# KiCad board EKO_Miner_BM1366-13xx_16-01A.kicad_pcb (continued)
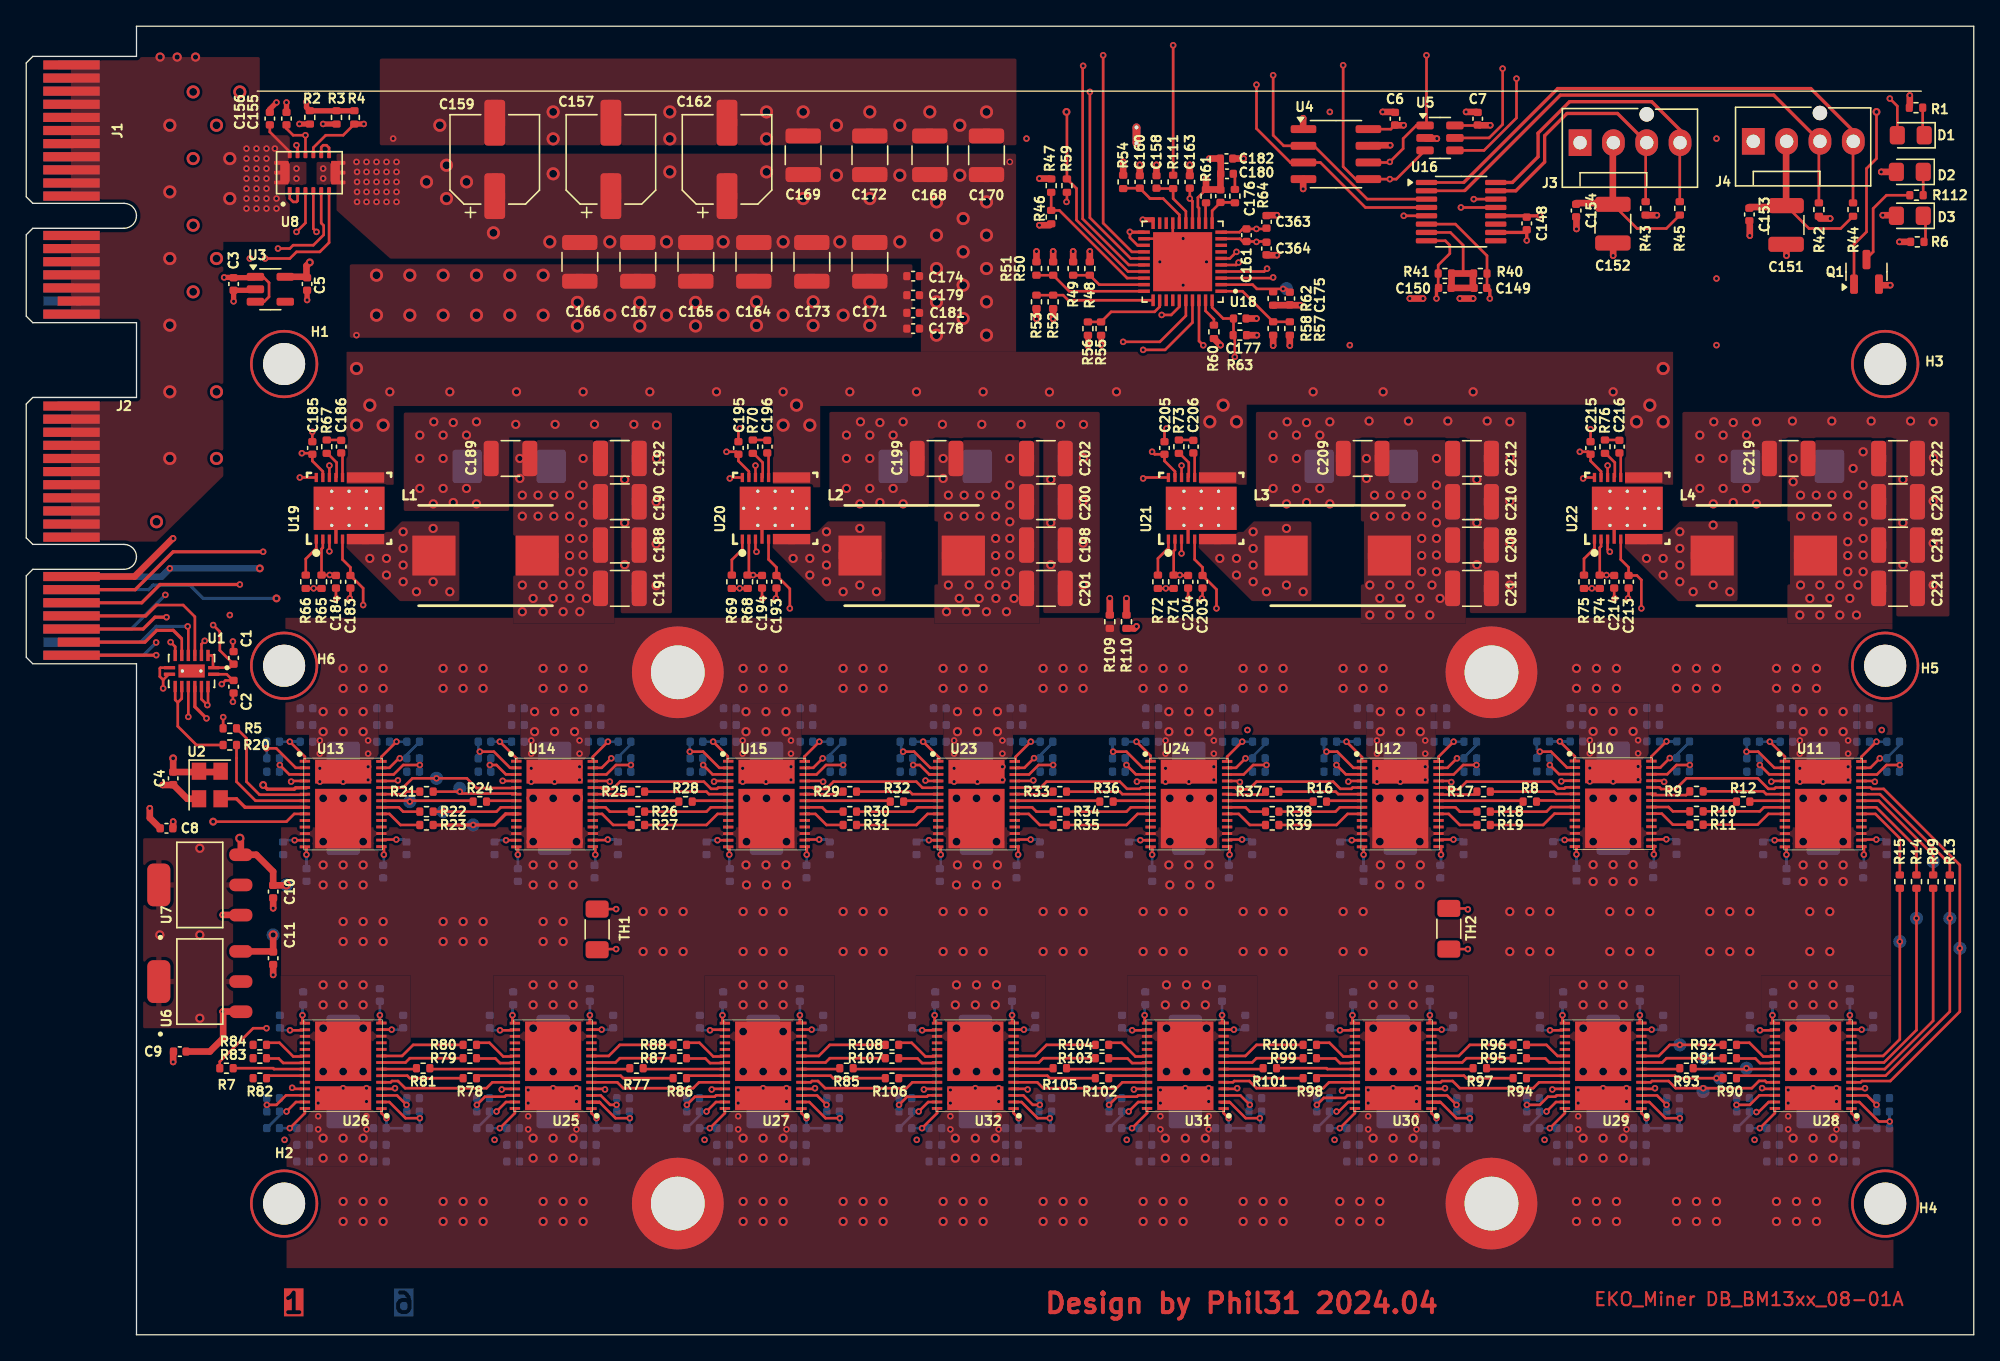
[diagram p0: board, top side]
## Routing (per net, layer and track width the routed paths; a pad name or vN(x,y) marks a point on that pad's centre or on a via; arc(x,y) is an arc through that point) (continued)
/ASICs/ASICs_BM1366_1/BM1366-0/BI: length 9.4
  Top w0.2: R5.2 16.78,45.47 16.78,42.16 17.78,41.17 21.34,41.17
/ASICs/ASICs_BM1366_1/BM1366-7/BO: length 19.1
  Top w0.2: 138.93,19.75 141.69,19.75 146.58,24.64 v2(146.58,31.75) R13.2
/ASICs/ASICs_BM1366_1/BM1366-7/CLKO: length 16.8
  Top w0.2: U28.8 141.56,20.75 144.04,23.23 v2(144.04,31.75) R14.2
/ASICs/ASICs_BM1366_1/BM1366-7/CO: length 15.7
  Top w0.2: R15.2 v2(142.77,29.97) 142.77,22.53 141.5,21.25 U28.9
/ASICs/ASICs_BM1366_1/BM1366-7/RI: length 8.7
  Top w0.2: U11.22 141.17,40.71 145.31,36.58 v2(145.31,36.07) R89.2
/ASICs/ASICs_BM1366_1/BM1366-7/RSTO_n: length 31.6
  Top w0.2: U28.5 139.79,19.25 139.88,19.34 142.04,19.34 147.34,24.64 v2(147.34,29.46) 147.34,35.81 141.54,41.61 140.63,41.61 140.53,41.71 U11.24
/ASICs/ASICs_BM1366_1/BO1: length 6.4
  Top w0.2: U14.6 37.29,41.26 33.18,41.26 v2(33.04,41.4) R21.2
/ASICs/ASICs_BM1366_1/BO2: length 6.4
  Top w0.2: 53.45,41.21 52.02,41.21 51.83,41.4 R25.2
/ASICs/ASICs_BM1366_1/BO3: length 6.4
  Top w0.2: 63.23,41.4 67.33,41.4 67.52,41.21 69.56,41.21
/ASICs/ASICs_BM1366_1/BO4: length 6.4
  Top w0.2: 79.34,41.4 83.33,41.4 83.52,41.21 U24.6
/ASICs/ASICs_BM1366_1/BO5: length 6.4
  Top w0.2: R37.2 99.78,41.4 99.97,41.21 U12.6
/ASICs/ASICs_BM1366_1/BO6: length 6.5
  Top w0.2: U10.6 116.59,41.23 116.41,41.4 R17.2
/ASICs/ASICs_BM1366_1/BO7: length 6.3
  Top w0.2: R9.2 132.38,41.42 132.59,41.21 U11.6
/ASICs/ASICs_BM1366_1/CLKO1: length 6.5
  Top w0.2: R22.2 v2(31.77,39.88) 35.83,39.88 36.16,40.21 U14.8
/ASICs/ASICs_BM1366_1/CLKO2: length 6.5
  Top w0.2: 53.45,40.21 52.16,40.21 51.83,39.88 R26.2
/ASICs/ASICs_BM1366_1/CLKO3: length 6.5
  Top w0.2: 63.23,39.88 67.58,39.88 67.91,40.21 69.56,40.21
/ASICs/ASICs_BM1366_1/CLKO4: length 6.5
  Top w0.2: U24.8 84.17,40.21 83.84,39.88 79.34,39.88
/ASICs/ASICs_BM1366_1/CLKO5: length 6.5
  Top w0.2: U12.8 100.09,40.21 99.77,39.88 R38.2
/ASICs/ASICs_BM1366_1/CLKO6: length 6.6
  Top w0.2: R18.2 115.84,39.88 116.19,40.23 118.01,40.23
/ASICs/ASICs_BM1366_1/CLKO7: length 6.4
  Top w0.2: R10.2 132.1,39.9 132.41,40.21 U11.8
/ASICs/ASICs_BM1366_1/CO1: length 6.8
  Top w0.25: R23.2 v2(34.05,38.86) 35.69,38.86 36.53,39.7 37.5,39.7
/ASICs/ASICs_BM1366_1/CO2: length 6.7
  Top w0.2: R27.2 51.83,38.86 52.68,39.7 53.45,39.7
/ASICs/ASICs_BM1366_1/CO3: length 6.7
  Top w0.2: 63.23,38.86 67.84,38.86 68.68,39.7 69.56,39.7
/ASICs/ASICs_BM1366_1/CO4: length 6.7
  Top w0.2: 79.34,38.86 83.84,38.86 84.68,39.7 U24.9
/ASICs/ASICs_BM1366_1/CO5: length 6.7
  Top w0.2: R39.2 99.84,38.86 100.68,39.7 U12.9
/ASICs/ASICs_BM1366_1/CO6: length 6.8
  Top w0.2: R19.2 115.59,38.86 116.45,39.72 U10.9
/ASICs/ASICs_BM1366_1/CO7: length 6.6
  Top w0.2: U11.9 132.74,39.7 131.92,38.88 R11.2
/ASICs/ASICs_BM1366_1/RI1: length 7.1
  Top w0.2: U13.22 29.16,40.71 v2(29.23,40.64) 29.3,40.71 33.98,40.71 R24.2
/ASICs/ASICs_BM1366_1/RI02: length 6.6
  Top w0.2: U14.22 49.73,40.71
/ASICs/ASICs_BM1366_1/RI3: length 6.5
  Top w0.2: 59.29,40.71 65.73,40.71 65.8,40.64
/ASICs/ASICs_BM1366_1/RI4: length 6.4
  Top w0.2: 75.4,40.71 81.74,40.71 R36.2
/ASICs/ASICs_BM1366_1/RI5: length 6.6
  Top w0.2: R16.2 97.99,40.71 U24.22
/ASICs/ASICs_BM1366_1/RI6: length 6.5
  Top w0.2: R8.2 113.99,40.71 U12.22
/ASICs/ASICs_BM1366_1/RI7: length 6.5
  Top w0.2: U10.22 130.23,40.73 R12.2
/ASICs/ASICs_BM1366_1/RSTO1: length 10.9
  Top w0.2: U13.24 28.72,41.71 29.43,42.42 v2(31.26,42.42) 33.57,42.42 34.32,41.67 37.3,41.67 U14.5
/ASICs/ASICs_BM1366_1/RSTO2: length 10.8
  Top w0.2: 53.45,41.71 52.73,41.71 52.64,41.62 52.18,41.62 51.63,42.16 45.25,42.16 44.7,41.61 43.89,41.61 43.79,41.71 U14.24
/ASICs/ASICs_BM1366_1/RSTO3: length 10.7
  Top w0.2: 69.55,41.7 68.29,41.7 67.83,42.16 61.51,42.16 60.95,41.61 60.05,41.61 59.95,41.71 59.29,41.71
/ASICs/ASICs_BM1366_1/RSTO4: length 10.7
  Top w0.2: U24.5 84.96,41.71 84.86,41.62 83.88,41.62 83.33,42.16 77.74,42.16 77.29,41.71 75.4,41.71
/ASICs/ASICs_BM1366_1/RSTO5: length 10.8
  Top w0.2: U12.5 101.07,41.71 100.97,41.62 100.13,41.62 99.59,42.16 93.74,42.16 93.16,41.58 92.25,41.58 92.12,41.71 U24.24
/ASICs/ASICs_BM1366_1/RSTO6: length 10.9
  Top w0.2: U10.5 117.3,41.73 117.2,41.64 116.75,41.64 116.22,42.16 109.75,42.16 109.16,41.58 108.36,41.58 108.23,41.71 U12.24
/ASICs/ASICs_BM1366_1/RSTO7: length 10.9
  Top w0.2: U10.24 124.45,41.73 124.58,41.6 125.69,41.6 126.51,42.42 131.95,42.42 132.75,41.62 133.2,41.62 133.3,41.71 U11.5
/ASICs/ASICs_BM1366_2/BM1366-7/RI: length 5.5
  Top w0.2: R7.2 18.81,20.32 18.88,20.25 21.23,20.25
/ASICs/ASICs_BM1366_2/BO1: length 6.3
  Top w0.2: R90.2 v2(128.8,19.56) 125.81,19.56 125.61,19.75 U29.6
/ASICs/ASICs_BM1366_2/BO2: length 6.3
  Top w0.2: R94.2 109.75,19.56 109.56,19.75 U30.6
/ASICs/ASICs_BM1366_2/BO3: length 6.1
  Top w0.2: U31.6 93.55,19.75 93.74,19.56 R98.2
/ASICs/ASICs_BM1366_2/BO4: length 6.3
  Top w0.2: R102.2 78,19.56 77.81,19.75 U32.6
/ASICs/ASICs_BM1366_2/BO5: length 6.5
  Top w0.2: U27.6 61.3,19.75 61.49,19.56 R106.2
/ASICs/ASICs_BM1366_2/BO6: length 6.3
  Top w0.2: R86.2 45.48,19.56 45.29,19.75 U25.6
/ASICs/ASICs_BM1366_2/BO7: length 6.3
  Top w0.2: U26.6 29.04,19.75 29.23,19.56 R78.2
/ASICs/ASICs_BM1366_2/CLKO1: length 6.4
  Top w0.2: R91.2 v2(127.78,21.08) 124.99,21.08 124.66,20.75 U29.8
/ASICs/ASICs_BM1366_2/CLKO2: length 6.4
  Top w0.2: R95.2 109.75,21.08 109.42,20.75 U30.8
/ASICs/ASICs_BM1366_2/CLKO3: length 6.2
  Top w0.2: R99.2 93.74,21.08 93.41,20.75 U31.8
/ASICs/ASICs_BM1366_2/CLKO4: length 6.4
  Top w0.2: U32.8 77.16,20.75 77.49,21.08 R103.2
/ASICs/ASICs_BM1366_2/CLKO5: length 6.5
  Top w0.2: U27.8 60.9,20.75 61.23,21.08 R107.2
/ASICs/ASICs_BM1366_2/CLKO6: length 6.4
  Top w0.2: U25.8 44.9,20.75 45.23,21.08 R87.2
/ASICs/ASICs_BM1366_2/CLKO7: length 6.4
  Top w0.2: R79.2 29.23,21.08 28.9,20.75 U26.8
/ASICs/ASICs_BM1366_2/CO1: length 6.6
  Top w0.2: R92.2 v2(126,22.1) 125.24,22.1 124.4,21.25 U29.9
/ASICs/ASICs_BM1366_2/CO2: length 6.6
  Top w0.2: U30.9 109.16,21.25 110,22.1 R96.2
/ASICs/ASICs_BM1366_2/CO3: length 6.4
  Top w0.2: U31.9 92.9,21.25 93.74,22.1 R100.2
/ASICs/ASICs_BM1366_2/CO4: length 6.6
  Top w0.2: R104.2 77.74,22.1 76.9,21.25 U32.9
/ASICs/ASICs_BM1366_2/CO5: length 6.7
  Top w0.2: U27.9 60.39,21.25 61.23,22.1 R108.2
/ASICs/ASICs_BM1366_2/CO6: length 6.6
  Top w0.2: R88.2 45.23,22.1 44.39,21.25 U25.9
/ASICs/ASICs_BM1366_2/CO7: length 6.6
  Top w0.2: U26.9 28.64,21.25 29.48,22.1 R80.2
/ASICs/ASICs_BM1366_2/RI1: length 6.3
  Top w0.2: 133.25,20.25 131.15,20.25 v2(131.08,20.32) 131.01,20.25 127.09,20.25 R93.2
/ASICs/ASICs_BM1366_2/RI02: length 6
  Top w0.2: 117.24,20.25 111.34,20.25 R97.2
/ASICs/ASICs_BM1366_2/RI3: length 6
  Top w0.2: R101.2 99.08,20.32 99.15,20.25 101.24,20.25
/ASICs/ASICs_BM1366_2/RI4: length 6.2
  Top w0.2: 85.41,20.25 79.34,20.25 R105.2
/ASICs/ASICs_BM1366_2/RI5: length 6.4
  Top w0.2: R85.2 63.08,20.25 69.4,20.25
/ASICs/ASICs_BM1366_2/RI6: length 6.3
  Top w0.2: R77.2 47.08,20.25 53.24,20.25
/ASICs/ASICs_BM1366_2/RI7: length 6.5
  Top w0.2: R81.2 30.82,20.25 37.23,20.25
/ASICs/ASICs_BM1366_2/RSTO1: length 10.7
  Top w0.2: U29.5 123.79,19.25 123.88,19.34 125.14,19.34 125.69,18.8 v2(127.78,18.8) 131.49,18.8 132.04,19.35 132.5,19.35 132.6,19.25 U28.24
/ASICs/ASICs_BM1366_2/RSTO2: length 10.6
  Top w0.2: U29.24 115.28,19.25 114.83,18.8 109.24,18.8 108.69,19.34 107.88,19.34 107.78,19.25 U30.5
/ASICs/ASICs_BM1366_2/RSTO3: length 10.5
  Top w0.2: U30.24 99.28,19.25 98.82,18.8 93.74,18.8 93.2,19.34 92.05,19.34 91.95,19.25 U31.5
/ASICs/ASICs_BM1366_2/RSTO4: length 10.5
  Top w0.2: U31.24 83.53,19.25 83.08,18.8 77.49,18.8 77.04,19.25 U32.5
/ASICs/ASICs_BM1366_2/RSTO5: length 10.8
  Top w0.2: U27.5 59.78,19.25 59.87,19.34 60.33,19.34 60.88,18.8 67.07,18.8 67.53,19.25 U32.24
/ASICs/ASICs_BM1366_2/RSTO6: length 10.5
  Top w0.2: U27.24 51.27,19.25 50.82,18.8 45.48,18.8 45.03,19.25 U25.5
/ASICs/ASICs_BM1366_2/RSTO7: length 10.6
  Top w0.2: U26.5 27.77,19.25 27.87,19.34 28.33,19.34 28.87,18.8 35.07,18.8 35.52,19.25 U25.24
/CI: length 18.5
  Top w0.2: 12.35,49.42 v2(12.35,47.1) ; 21.38,39.7 20.42,39.7 19.83,39.12 v4(14.24,39.12)
  In2.Cu w0.2: v2(12.35,47.1) 12.35,41.77 14.24,39.88 v4(14.24,39.12)
/CLKI: length 6.8
  Top w0.25: 21.38,40.21 16.67,40.21 16.02,40.86 U2.3
/DB_ALERTn_oc: length 132.6
  Top w0.2: v2(81.05,94.74) 81.05,85.15 84.15,82.05 U18.25 ; U8.10 21.88,90.5 22.82,91.44 24.15,91.44 R4.1
  Top w0.25: v2(16.27,57.19) 10.19,57.19 8.8,55.8 J2.B14
  Top w0.4: 25,92.3 v2(25.72,92.3)
  In2.Cu w0.2: v2(25.72,92.3) 28.92,95.5 76.16,95.5 76.92,94.74 v2(81.05,94.74) ; 27.93,94.49 23.97,90.53 23.97,77.92 22.59,76.53 22.59,73.71 18.96,70.09 18.96,62.32 16.27,59.63 v2(16.27,57.19)
/DB_PGOOD: length 189.2
  Top w0.2: v4(140.99,93.22) 140.99,89.66 140.23,88.9 140.23,84.07 139.28,83.12 Q1.1 ; U18.27 83.95,81.05 80.03,84.97 80.03,87.38 R59.1 79.3,93.18 v4(79.27,93.22)
  Top w0.25: J2.B13 8.3,56.8 11.19,59.69 v2(18.05,59.69)
  In2.Cu w0.2: v4(140.99,93.22) 138.7,93.22 137.69,94.23 96.28,94.23 95.27,93.22 v4(79.27,93.22) 74.69,93.22 71.65,90.17 70.38,90.17 65.51,85.3 32.49,85.3 23.39,76.2 23.39,73.38 19.76,69.76 19.76,61.4 v2(18.05,59.69)
/DB_RSTn: length 13.1
  Top w0.2: 9.92,55.63 11.96,55.63 12.85,54.73 U1.4
  Top w0.25: 9.92,55.63 9.1,54.8 J2.B15
/DB_RX: length 9.8
  Top w0.2: 11.8,53.11 11.85,53.05 U1.6
  Top w0.25: J2.B17 9.04,52.8 9.94,53.7 11.2,53.7 11.8,53.11
/DB_SCL: length 185.2
  Top w0.2: U8.6 23.08,83.26 22.37,82.55 20.59,82.55 20.08,82.04 v2(18.2,82.04) ; v2(106.7,97.54) 106.7,92.3 U5.1 105.93,92.19 104.92,91.18 104.92,90.42 103.86,89.37 U4.6 ; v2(82.06,97.54) 82.06,84.74 84.25,82.55 U18.24 ; U16.14 v2(110.3,86.57)
  Top w0.4: v2(20.82,92.3) 21.6,92.3 R2.1
  In2.Cu w0.2: v2(103.9,89.41) 107.46,89.41 v2(110.3,86.57) ; 106.66,97.54 26.06,97.54 v2(20.82,92.3) 21.51,92.3 21.86,91.95 21.86,90.3 21.35,89.79 21.35,87.88 19.62,86.15 19.62,84.12 18.2,82.7 v2(18.2,82.04) 18.24,82 18.24,80.06 15.47,77.29 15.47,63.83 12.43,60.78 12.43,58.23 v2(10.6,56.4)
  Bottom w0.25: v2(10.6,56.4) 8,53.8 J2.A16
/DB_SDA: length 180.6
  Top w0.2: U16.13 v2(109.32,85.94) ; U5.3 104.4,88.09 v2(103.9,88.09) U4.5 101.3,88.09 100.35,89.05 v2(100.35,96.77) ; v2(19.18,82.8) 20.08,82.8 20.34,83.06 21.88,83.06 22.67,83.85 22.67,84.56 22.48,84.75 U8.5 ; v2(80.54,96.73) 80.5,96.7 80.5,85.07 84.02,81.55 U18.26
  Top w0.25: v2(10.69,54.7) 9.81,54.7 8.91,53.8 J2.B16
  Top w0.4: v2(22.62,92.3) 23.63,92.3 R3.1
  In2.Cu w0.2: v2(103.9,88.09) 103.9,88.14 106.11,85.94 v2(109.32,85.94) ; 100.27,96.77 v2(100.35,96.77) 100.31,96.73 v2(80.54,96.73) 77.49,96.73 77.08,97.14 27.46,97.14 v2(22.62,92.3) 22.62,90.39 21.75,89.53 21.75,87.72 20.02,85.98 20.02,83.64 v2(19.18,82.8) 19.18,80.44 15.87,77.13 15.87,63.67 12.83,60.62 12.83,56.84 v2(10.69,54.7)
/DB_TX: length 11.6
  Top w0.2: v2(12.3,54) 12.35,53.95 U1.5
  Bottom w0.25: J2.A17 8.7,52.8 9.9,54 v2(12.3,54)
/EN_DRV: length 146.6
  Top w0.2: v2(55.64,59.69) 55.57,59.77 U20.3 ; U19.3 v2(23.1,59.72) ; U22.3 120.5,59.86 v2(120.67,59.69) ; U21.3 v2(88.03,59.56)
  In2.Cu w0.2: v4(19.07,56.13) 19.32,55.88 22.37,55.88 23.89,57.4 23.89,58.93 v2(23.1,59.72) 23.61,59.72 27.96,55.37 32.53,55.37 34.05,53.85 44.47,53.85 46.75,56.13 54.63,56.13 56.15,57.66 56.15,59.18 v2(55.64,59.69) 56.66,59.69 61.95,54.4 83.84,54.4 84.81,55.37 86.63,55.37 88.66,57.4 88.66,58.42 88.03,59.05 v2(88.03,59.56) 89.3,59.56 95.23,53.64 107.76,53.64 110.25,56.13 120.03,56.13 121.43,57.53 121.43,58.93 v2(120.67,59.69)
  Bottom w0.25: J2.A13 9.32,56.8 9.67,57.15 12.46,57.15 13.48,56.13 v4(19.07,56.13)
/FAN/FAN1_PWM: length 42.3
  Top w0.2: U16.1 109.54,87.84 ; R44.1 139.2,90.95 J4.4
  Top w0.25: J4.4 139.22,91.76 135.98,95 116.7,95 109.54,87.84
/FAN/FAN1_TACH: length 39.2
  Top w0.2: R42.1 136.6,90.9 J4.3 ; U16.2 109.61,87.2 109.63,87.23
  Top w0.25: J4.3 133.16,94.5 116.9,94.5 109.63,87.23
/FAN/FAN2_PWM: length 24
  Top w0.2: R45.1 126,90.85 J3.4
  Top w0.25: J3.4 126.02,91.84 123.86,94 117.6,94 115.2,91.6 115.2,89.8 113.24,87.84 U16.16
/FAN/FAN2_TACH: length 20.6
  Top w0.2: J3.3 123.4,90.8 R43.1
  Top w0.25: J3.3 121.25,93.1 117.4,93.1 115.7,91.4 115.7,89.4 113.5,87.2 U16.15
/ID0: length 173.1
  Top w0.2: v2(20.59,84.07) 21.28,84.76 U8.3 ; v2(95.01,96.01) 95.01,91.44 95.82,90.63 U4.2 98.12,90.63 102.18,86.57 U16.3 ; v2(112.5,96.52) 112.5,92.27 111.47,91.23 U5.5
  In2.Cu w0.2: v2(9.9,52.78) 13.23,56.1 13.23,60.45 16.27,63.5 16.27,76.96 20.59,81.28 v2(20.59,84.07) 23.17,86.66 23.17,91.74 27.96,96.52 76.73,96.52 77.28,95.97 111.95,95.97 v2(112.5,96.52)
  Bottom w0.25: J2.A18 8.92,51.8 v2(9.9,52.78)
/ID1: length 177.2
  Top w0.2: v2(22.12,84.07) 21.88,84.31 U8.4 ; U5.4 111.08,90.28 113.56,92.76 v2(113.56,95.76) ; U16.4 102.04,85.94 98.61,89.37 U4.3 96.33,89.37 93.74,91.95 v2(93.74,95.29)
  Top w0.25: v2(9.91,51.81) 9.9,51.8 J2.B18
  In1.Cu w0.2: v2(9.91,51.81) 11.17,51.81 14.23,54.86 v2(15.51,54.86)
  In2.Cu w0.2: v2(15.51,54.86) 15.51,59.44 18.56,62.48 18.56,70.25 22.19,73.88 22.19,76.7 23.46,77.97 23.46,82.04 22.12,83.38 v2(22.12,84.07) 22.12,84.84 23.57,86.29 23.57,90.95 28.64,96.01 76.22,96.01 76.94,95.29 113.09,95.29 v2(113.56,95.76)
/PSU_160A/CSP1: length 46.7
  Top w0.2: R75.2 R74.2 ; U18.3 94.96,80.55 v2(95.01,80.6)
  In2.Cu w0.2: v2(119.3,56.9) 119.3,58.01 118.64,58.67 118.64,63.75 119.65,64.77 119.65,67.75 112.51,74.9 102.89,74.9 97.19,80.6 v2(95.01,80.6)
/PSU_160A/CSP2: length 33
  Top w0.2: R72.2 R71.2 ; v2(94.55,81.27) 94.33,81.05 U18.4
  In2.Cu w0.2: v2(94.55,81.27) 94.5,81.27 87.44,74.21 87.44,64.5 86.12,63.19 86.12,57.61 v2(86.83,56.9)
/PSU_160A/CSP3: length 61.5
  Top w0.2: R69.2 R68.2 ; U18.5 92.19,81.55 v2(92.38,81.74)
  In2.Cu w0.2: v2(54.37,56.9) 51.83,59.43 51.83,68.83 51.94,68.94 51.94,69 56.35,73.41 77.74,73.41 81.04,76.71 86.89,76.71 91.91,81.74 v2(92.38,81.74)
/PSU_160A/CSP4: length 93.9
  Top w0.2: v2(92.22,82.55) 91.72,82.05 U18.6 ; R66.2 R65.2
  In2.Cu w0.2: v2(92.22,82.55) 88.92,82.55 86.12,79.76 82.31,79.76 77.49,74.93 24.73,74.93 23.89,74.1 23.89,73.33 20.16,69.59 20.16,58.64 v2(21.9,56.9)
/PSU_160A/FFCM: length 3.6
  Top w0.2: U20.10 v2(55.57,66.26) ; U21.10 v2(88.03,66.26) ; U19.10 v2(23.1,66.26) ; U22.10 v2(120.5,66.26)
/PSU_160A/PWM1: length 38.1
  Top w0.2: U18.38 89.37,75.75 v2(89.69,75.43) ; v2(118.64,65.28) 118.71,65.35 U22.12
  In2.Cu w0.2: v2(118.64,65.28) 118.64,66.04 110.76,73.91 91.2,73.91 v2(89.69,75.43)
/PSU_160A/PWM2: length 18.1
  Top w0.2: U18.37 88.87,77.16 86.78,75.08 v2(85.11,75.08) ; v2(85.11,65.28) 85.18,65.35 U21.12
  In2.Cu w0.2: v2(85.11,65.28) v2(85.11,75.08)
/PSU_160A/PWM3: length 45.9
  Top w0.2: U18.36 88.37,77.68 86.38,75.69 v2(83.58,75.69) ; v2(53.61,65.28) 53.68,65.35 U20.12
  In2.Cu w0.2: v2(83.58,75.69) 80.9,73.01 56.51,73.01 52.34,68.83 52.34,66.55 v2(53.61,65.28)
/PSU_160A/PWM4: length 75.3
  Top w0.2: U19.12 v2(20.85,65.35) ; U18.35 87.87,78.37 87.24,77.74 v2(86.52,77.74)
  In2.Cu w0.2: v2(20.85,65.35) 22.37,66.87 22.37,68.83 27.96,74.42 77.55,74.42 80.85,77.72 86.5,77.72 v2(86.52,77.74)
/PSU_160A/TSEN: length 17.9
  Top w0.2: U22.11 120,65.81 119.2,66.61 C215.1 119.01,67.31 v2(118.38,67.31) ; U18.40 90.37,78.31 91.2,77.47 C177.1 91.99,76.23 R63.1 92.09,76.07 v2(92.09,74.55) ; U19.11 22.6,65.81 21.8,66.61 C185.1 21.72,67.2 v2(21,67.2) ; v2(53.36,67.31) 54.08,67.31 C195.1 54.27,66.61 55.07,65.81 U20.11 ; 85.93,67.2 85.82,67.31 v2(85.79,67.31) 85.98,67.12 C205.1 86.73,66.61 87.53,65.81 U21.11
/RO: length 8.5
  Top w0.2: R20.2 12.97,44.96 11.55,46.38 11.55,48.2 ; 11.55,48.2 11.35,48.4 11.35,49.42 ; 11.55,48.2 11.85,48.5 11.85,49.42
/RSTIn: length 13.1
  Top w0.25: v2(13.73,46.99) 12.85,47.87 12.85,49.42 ; v4(18.05,41.91) 18.37,41.59 20.42,41.59 20.52,41.69 21.37,41.69
  In2.Cu w0.25: v2(13.73,46.99) 13.73,46.23 v4(18.05,41.91)
VPWR_ASIC: length 17.5
  Bottom w0.2: 56.33,17.06 57.05,17.06 57.05,16.69 ; 23.25,44.27 23.25,43.9 23.97,43.9 ; 72.3,43.9 71.58,43.9 71.58,44.27 ; 72.5,17.06 73.22,17.06 73.22,16.69 ; 25.05,16.69 25.05,17.06 24.33,17.06 ; 120.34,17.06 121.06,17.06 121.06,16.69 ; 39.36,44.27 39.36,43.9 40.08,43.9 ; 136.75,43.9 136.03,43.9 136.03,44.27 ; 88.41,43.9 87.69,43.9 87.69,44.27 ; 89.22,16.69 89.22,17.06 88.5,17.06 ; 41.05,16.69 41.05,17.06 40.33,17.06 ; 104.52,43.9 103.8,43.9 103.8,44.27 ; 120.02,44.29 120.02,43.92 120.74,43.92 ; 55.47,44.27 55.47,43.9 56.19,43.9 ; 105.06,16.69 105.06,17.06 104.34,17.06 ; 137.06,16.69 137.06,17.06 136.34,17.06
  vias: v1(22.62,47.5) v1(22.62,45.97) v1(22.62,14.99) v1(22.62,13.46) v1(24.15,50.8) v1(24.15,49.28) v1(24.15,47.5) v1(24.15,45.97) v1(24.15,14.99) v1(24.15,13.46) v1(24.15,10.16) v1(24.15,8.64) v1(25.67,50.8) v1(25.67,49.28) v1(25.67,47.5) v1(25.67,45.97) v1(25.67,14.99) v1(25.67,13.46) v1(25.67,10.16) v1(25.67,8.64) v1(27.2,50.8) v1(27.2,49.28) v1(27.2,10.16) v1(27.2,8.64) v1(31.77,50.8) v1(31.77,49.28) v1(31.77,10.16) v1(31.77,8.64) v1(33.29,50.8) v1(33.29,49.28) v1(33.29,10.16) v1(33.29,8.64) v1(34.82,50.8) v1(34.82,49.28) v1(34.82,10.16) v1(34.82,8.64) v1(37.61,66.8) v1(37.61,65.28) v1(37.8,64) v1(37.8,62.4) v1(37.8,57.15) v1(37.8,55.12) v1(38.63,56.13) v1(38.63,14.99) v1(38.63,13.46) v1(38.73,47.5) v1(38.73,45.97) v1(39,64) v1(39,62.4) v1(39.39,57.15) v1(39.39,55.12) v1(39.39,50.8) v1(39.39,49.28) v1(39.39,10.16) v1(39.39,8.64) v1(40.2,64) v1(40.2,62.4) v1(40.15,56.13) v1(40.15,14.99) v1(40.15,13.46) v1(40.26,47.5) v1(40.26,45.97) v1(40.91,57.15) v1(40.91,55.12) v1(40.91,50.8) v1(40.91,49.28) v1(40.91,10.16) v1(40.91,8.64) v1(41.4,64) v1(41.4,62.4) v1(41.4,60.71) v1(41.4,59.4) v1(41.42,58.17) v1(41.42,56.13) v1(41.67,14.99) v1(41.67,13.46) v1(41.78,47.5) v1(41.78,45.97) v1(42.18,57.15) v1(42.18,55.12) v1(42.44,66.8) v1(42.44,64.77) v1(42.44,63.25) v1(42.44,61.9) v1(42.44,60.71) v1(42.44,59.44) v1(42.44,58.17) v1(42.44,50.8) v1(42.44,49.28) v1(42.44,10.16) v1(42.44,8.64) v1(42.69,56.13) v1(54.63,50.8) v1(54.63,49.28) v1(54.63,14.99) v1(54.63,13.46) v1(54.63,10.16) v1(54.63,8.64) v1(54.85,47.5) v1(54.85,45.97) v1(56.15,50.8) v1(56.15,49.28) v1(56.15,14.99) v1(56.15,13.46) v1(56.15,10.16) v1(56.15,8.64) v1(56.37,47.5) v1(56.37,45.97) v1(57.68,50.8) v1(57.68,49.28) v1(57.68,14.99) v1(57.68,13.46) v1(57.68,10.16) v1(57.68,8.64) v1(57.89,47.5) v1(57.89,45.97) v1(62.25,50.8) v1(62.25,49.28) v1(62.25,10.16) v1(62.25,8.64) v1(63.77,50.8) v1(63.77,49.28) v1(63.77,10.16) v1(63.77,8.64) v1(65.3,50.8) v1(65.3,49.28) v1(65.3,10.16) v1(65.3,8.64) v1(69.87,66.8) v1(69.87,65.28) v1(69.87,50.8) v1(69.87,49.28) v1(69.87,10.16) v1(69.87,8.64) v1(70.12,55.12) v1(70.27,64) v1(70.27,62.4) v1(70.27,57.15) v1(70.8,14.99) v1(70.8,13.46) v1(70.96,47.5) v1(70.96,45.97) v1(71.09,56.13) v1(71.39,50.8) v1(71.39,49.28) v1(71.39,10.16) v1(71.39,8.64) v1(71.47,64) v1(71.47,62.4) v1(71.65,55.12) v1(71.85,57.15) v1(72.32,14.99) v1(72.32,13.46) v1(72.48,47.5) v1(72.48,45.97) v1(72.67,64) v1(72.67,62.4) v1(72.62,56.13) v1(72.92,50.8) v1(72.92,49.28) v1(72.92,10.16) v1(72.92,8.64) v1(73.17,55.12) v1(73.38,57.15) v1(73.87,64) v1(73.87,62.4) v1(73.87,60.71) v1(73.87,59.4) v1(73.87,58.17) v1(73.89,56.13) v1(73.84,14.99) v1(73.84,13.46) v1(74,47.5) v1(74,45.97) v1(74.65,57.15) v1(74.69,55.12) v1(74.95,66.8) v1(74.95,64.77) v1(74.95,63.25) v1(74.95,61.98) v1(74.95,60.71) v1(74.95,59.44) v1(74.95,58.17) v1(75.27,56.13) v1(77.49,50.8) v1(77.49,49.28) v1(77.49,10.16) v1(77.49,8.64) v1(79.01,50.8) v1(79.01,49.28) v1(79.01,10.16) v1(79.01,8.64) v1(80.54,50.8) v1(80.54,49.28) v1(80.54,10.16) v1(80.54,8.64) v1(85.11,50.8) v1(85.11,49.28) v1(85.11,10.16) v1(85.11,8.64) v1(86.63,50.8) v1(86.63,49.28) v1(86.63,10.16) v1(86.63,8.64) v1(86.8,14.99) v1(86.8,13.46) v1(87.07,47.5) v1(87.07,45.97) v1(88.16,50.8) v1(88.16,49.28) v1(88.16,10.16) v1(88.16,8.64) v1(88.32,14.99) v1(88.32,13.46) v1(88.59,47.5) v1(88.59,45.97) v1(89.85,14.99) v1(89.85,13.46) v1(90.12,47.5) v1(90.12,45.97) v1(92.73,50.8) v1(92.73,49.28) v1(92.73,10.16) v1(92.73,8.64) v1(94.25,50.8) v1(94.25,49.28) v1(94.25,10.16) v1(94.25,8.64) v1(95.78,50.8) v1(95.78,49.28) v1(95.78,10.16) v1(95.78,8.64) v1(100.09,10.16) v1(100.09,8.64) v1(100.35,50.8) v1(100.35,49.28) v1(101.62,10.16) v1(101.62,8.64) v1(101.87,50.8) v1(101.87,49.28) v1(102.13,66.8) v1(102.13,65.28) v1(102.38,57.15) v1(102.38,54.86) v1(102.63,14.99) v1(102.63,13.46) v1(102.73,64) v1(102.73,62.4) v1(103.14,56.13) v1(103.18,47.5) v1(103.18,45.97) v1(103.14,10.16) v1(103.14,8.64) v1(103.4,50.8) v1(103.4,49.28) v1(103.93,64) v1(103.93,62.4) v1(103.9,57.15) v1(103.9,54.86) v1(104.16,14.99) v1(104.16,13.46) v1(104.67,56.13) v1(104.7,47.5) v1(104.7,45.97) v1(105.13,64) v1(105.13,62.4) v1(105.43,57.15) v1(105.43,54.86) v1(105.68,14.99) v1(105.68,13.46) v1(106.19,56.13) v1(106.23,47.5) v1(106.23,45.97) v1(106.33,64) v1(106.33,62.4) v1(106.33,60.71) v1(106.33,59.4) v1(106.33,58.17) v1(106.95,54.86) v1(107.12,57.15) v1(107.46,66.8) v1(107.46,64.77) v1(107.46,63.25) v1(107.46,61.9) v1(107.46,60.71) v1(107.46,59.44) v1(107.46,58.17) v1(107.73,56.13) v1(118.13,50.8) v1(118.13,49.28) v1(118.13,10.16) v1(118.13,8.64) v1(118.64,14.99) v1(118.64,13.46) v1(119.4,47.52) v1(119.4,45.99) v1(119.65,50.8) v1(119.65,49.28) v1(119.65,10.16) v1(119.65,8.64) v1(120.16,14.99) v1(120.16,13.46) v1(120.92,47.52) v1(120.92,45.99) v1(121.18,50.8) v1(121.18,49.28) v1(121.18,10.16) v1(121.18,8.64) v1(121.68,14.99) v1(121.68,13.46) v1(122.45,47.52) v1(122.45,45.99) v1(125.75,50.8) v1(125.75,49.28) v1(125.75,10.16) v1(125.75,8.64) v1(127.27,50.8) v1(127.27,49.28) v1(127.27,10.16) v1(127.27,8.64) v1(128.8,50.8) v1(128.8,49.28) v1(128.8,10.16) v1(128.8,8.64) v1(133.37,50.8) v1(133.37,49.28) v1(133.37,10.16) v1(133.37,8.64) v1(134.64,66.8) v1(134.64,65.02) v1(134.64,14.99) v1(134.64,13.46) v1(134.89,50.8) v1(134.89,49.28) v1(134.89,10.16) v1(134.89,8.64) v1(135.15,54.86) v1(135.2,64) v1(135.2,62.4) v1(135.2,57.15) v1(135.4,47.5) v1(135.4,45.97) v1(135.91,56.13) v1(136.16,14.99) v1(136.16,13.46) v1(136.4,64) v1(136.4,62.4) v1(136.42,50.8) v1(136.42,49.28) v1(136.42,10.16) v1(136.42,8.64) v1(136.67,57.15) v1(136.67,54.86) v1(136.92,47.5) v1(136.92,45.97) v1(137.43,56.13) v1(137.6,64) v1(137.6,62.4) v1(137.69,14.99) v1(137.69,13.46) v1(138.19,57.15) v1(138.19,54.86) v1(138.45,47.5) v1(138.45,45.97) v1(138.8,64) v1(138.8,62.4) v1(138.8,60.45) v1(138.8,59.4) v1(138.8,58.17) v1(138.96,56.13) v1(139.21,66.04) v1(139.46,54.86) v1(139.58,57.15) v1(139.97,67.31) v1(139.97,64.77) v1(139.97,63.25) v1(139.97,61.98) v1(139.97,60.71) v1(139.97,59.44) v1(139.97,58.17) v2(22.25,18.66) v2(22.25,17.66) v2(22.25,16.66) v2(22.25,15.66) v2(22.37,45.3) v2(22.37,44.3) v2(22.37,43.18) v2(22.37,42.16) v2(24.15,42.16) v2(24.15,18.8) v2(25.93,18.8) v2(25.93,17.78) v2(25.93,16.66) v2(25.93,15.66) v2(26.05,45.3) v2(26.05,44.3) v2(26.05,43.3) v2(26.05,42.3) v2(38.25,18.66) v2(38.25,17.66) v2(38.25,16.66) v2(38.25,15.66) v2(38.48,45.3) v2(38.48,44.3) v2(38.48,43.18) v2(38.48,42.16) v2(40.15,18.8) v2(40.26,42.16) v2(41.93,18.8) v2(41.93,17.78) v2(41.93,16.66) v2(41.93,15.66) v2(42.16,45.3) v2(42.16,44.3) v2(42.16,43.3) v2(42.16,42.3) v2(54.25,18.66) v2(54.25,17.66) v2(54.25,16.66) v2(54.25,15.66) v2(54.59,45.3) v2(54.59,44.3) v2(54.59,43.18) v2(54.59,42.16) v2(56.15,18.8) v2(56.37,42.16) v2(57.93,18.8) v2(57.93,17.78) v2(57.93,16.66) v2(57.93,15.66) v2(58.27,45.3) v2(58.27,44.3) v2(58.27,43.3) v2(58.27,42.3) v2(70.42,18.66) v2(70.42,17.66) v2(70.42,16.66) v2(70.42,15.66) v2(70.7,45.3) v2(70.7,44.3) v2(70.7,43.18) v2(70.7,42.16) v2(72.32,18.8) v2(72.48,42.16) v2(74.1,18.8) v2(74.1,17.78) v2(74.1,16.66) v2(74.1,15.66) v2(74.38,45.3) v2(74.38,44.3) v2(74.38,43.3) v2(74.38,42.3) v2(86.42,18.66) v2(86.42,17.66) v2(86.42,16.66) v2(86.42,15.66) v2(86.81,45.3) v2(86.81,44.3) v2(86.81,43.18) v2(86.81,42.16) v2(88.32,18.8) v2(88.59,42.16) v2(90.1,18.8) v2(90.1,17.78) v2(90.1,16.66) v2(90.1,15.66) v2(90.49,45.3) v2(90.49,44.3) v2(90.49,43.3) v2(90.49,42.3) v2(102.26,18.66) v2(102.26,17.66) v2(102.26,16.66) v2(102.26,15.66) v2(102.92,45.3) v2(102.92,44.3) v2(102.92,43.18) v2(102.92,42.16) v2(104.16,18.8) v2(104.7,42.16) v2(105.94,18.8) v2(105.94,17.78) v2(105.94,16.66) v2(105.94,15.66) v2(106.6,45.3) v2(106.6,44.3) v2(106.6,43.3) v2(106.6,42.3) v2(118.26,18.66) v2(118.26,17.66) v2(118.26,16.66) v2(118.26,15.66) v2(119.14,45.32) v2(119.14,44.32) v2(119.14,43.2) v2(119.14,42.18) v2(120.16,18.8) v2(120.92,42.18) v2(121.94,18.8) v2(121.94,17.78) v2(121.94,16.66) v2(121.94,15.66) v2(122.82,45.32) v2(122.82,44.32) v2(122.82,43.32) v2(122.82,42.32) v2(134.26,18.66) v2(134.26,17.66) v2(134.26,16.66) v2(134.26,15.66) v2(135.15,45.3) v2(135.15,44.3) v2(135.15,43.18) v2(135.15,42.16) v2(136.16,18.8) v2(136.92,42.16) v2(137.94,18.8) v2(137.94,17.78) v2(137.94,16.66) v2(137.94,15.66) v2(138.83,45.3) v2(138.83,44.3) v2(138.83,43.3) v2(138.83,42.3)